# KiCad board Panel3-copy.kicad_pcb (continued)
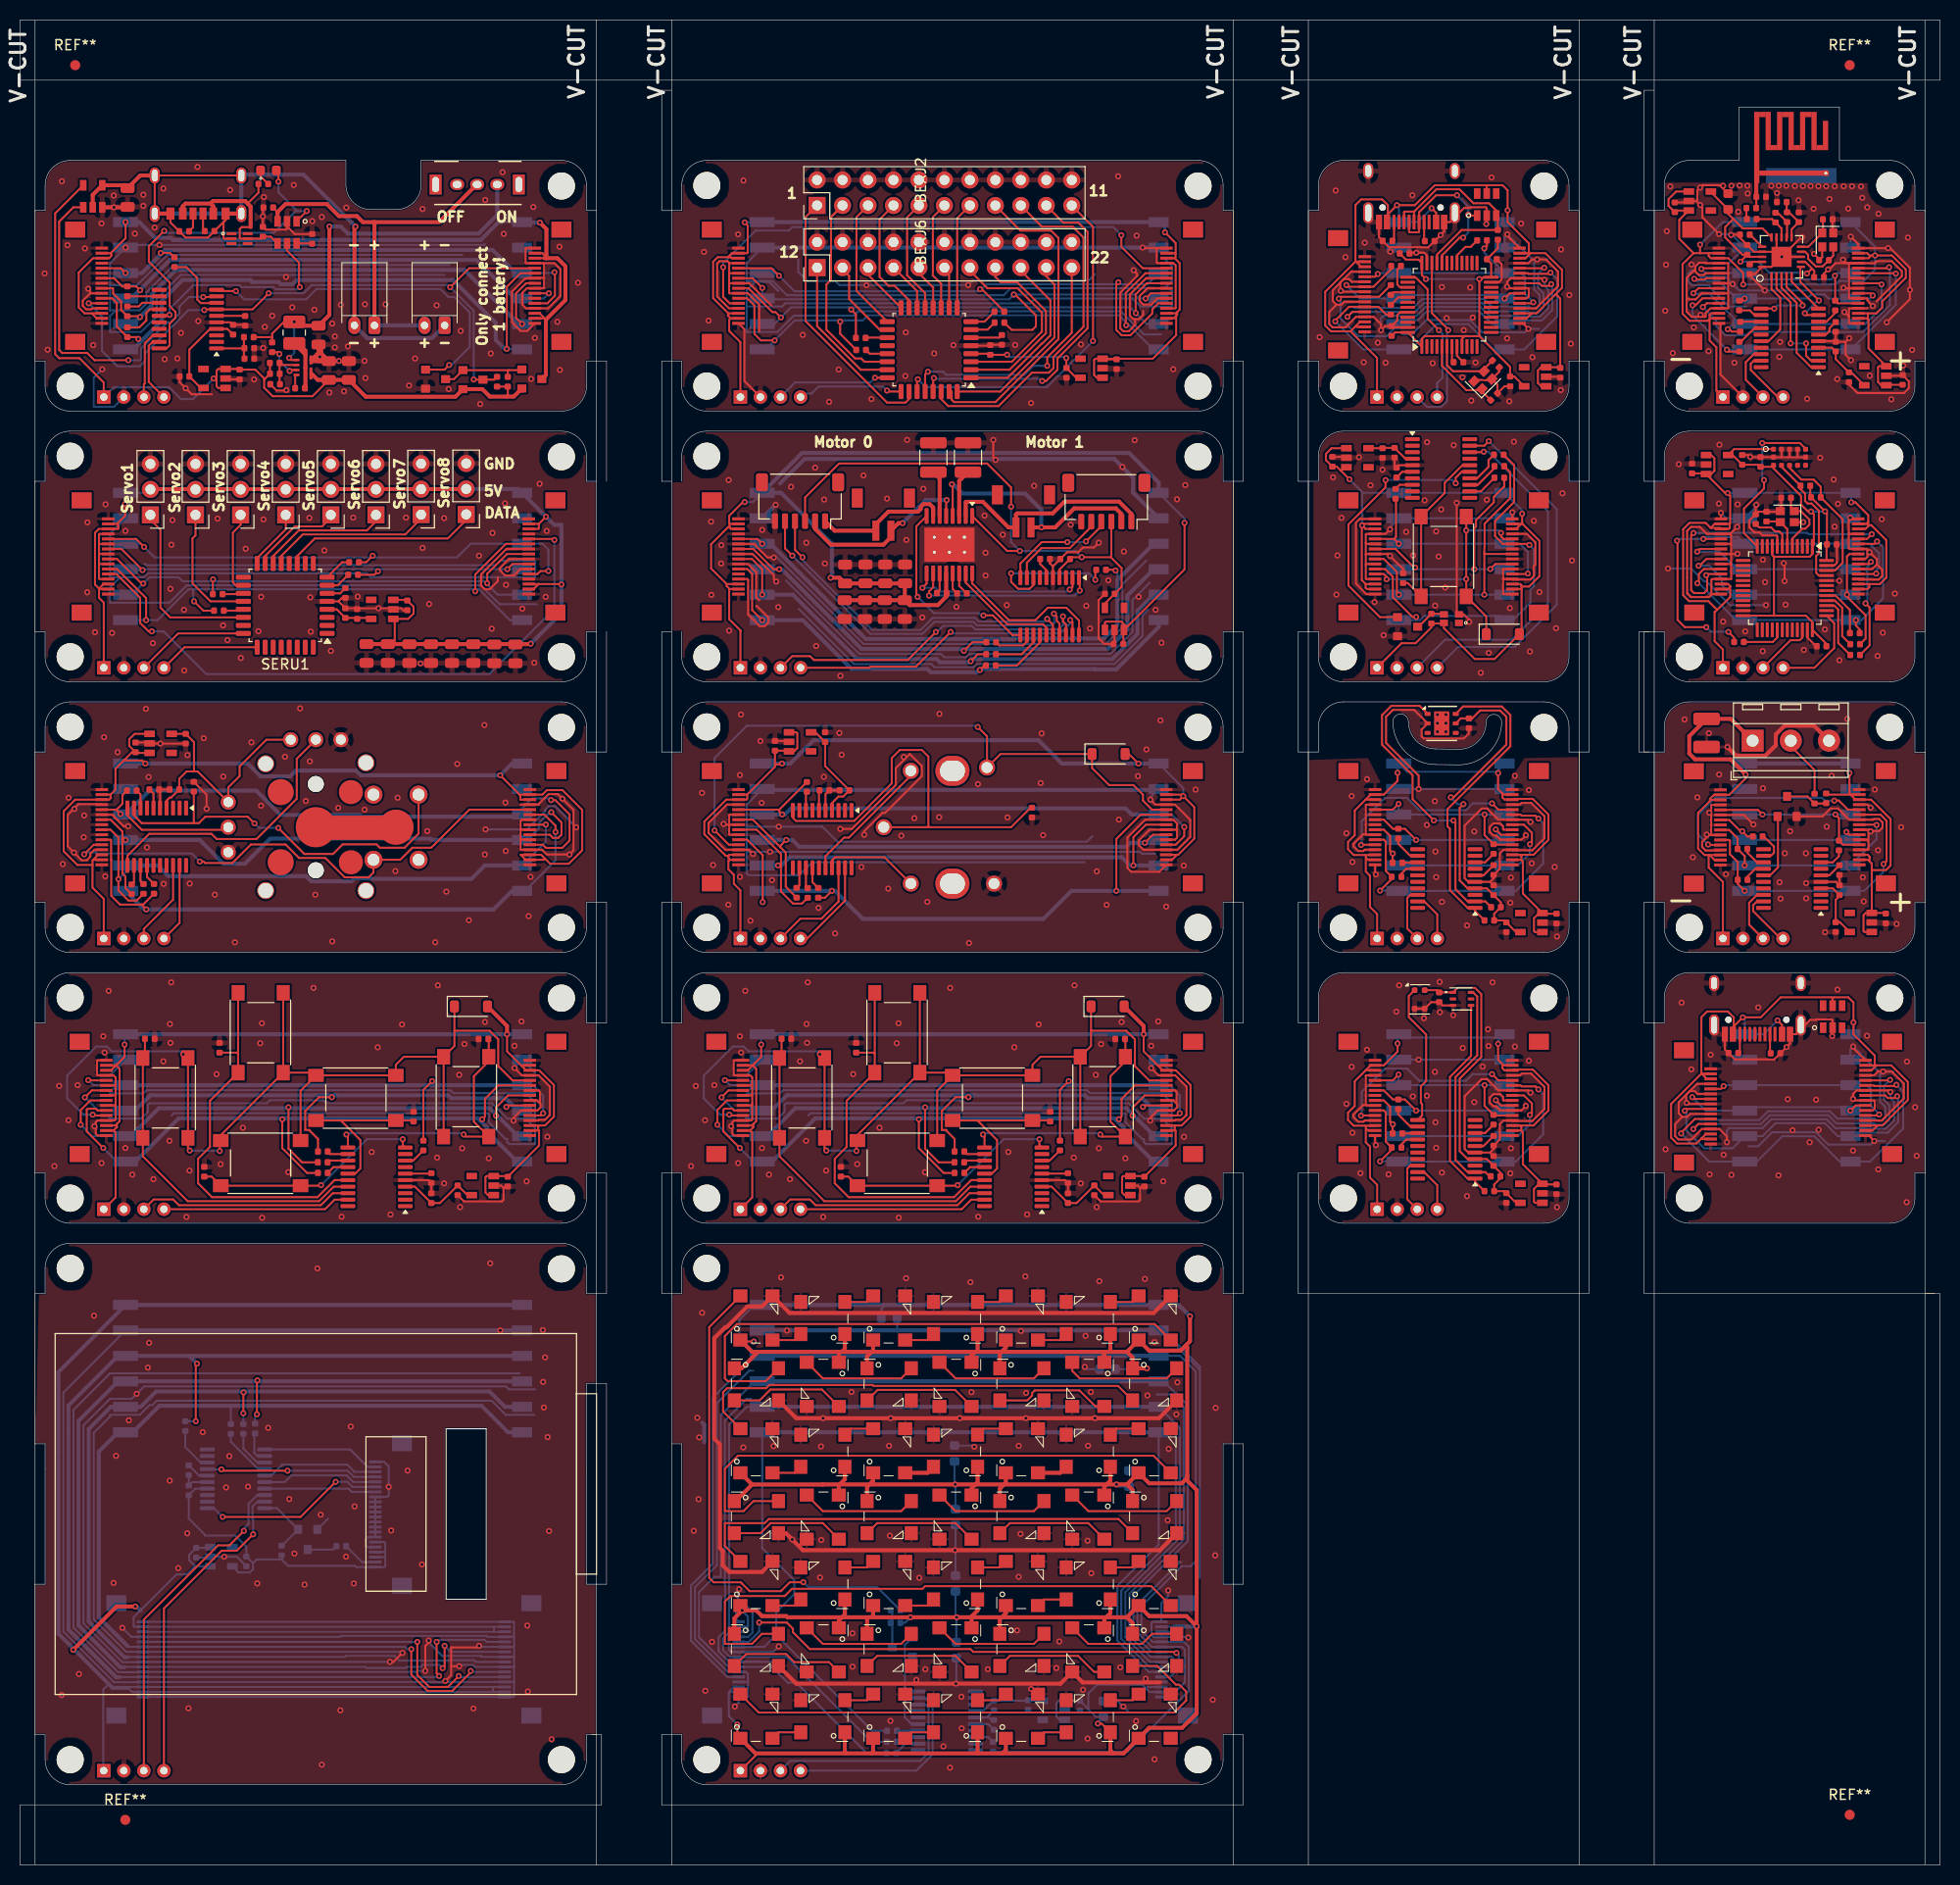
[diagram p0: board, top side]
## Routing (per net, layer and track width the routed paths; a pad name or vN(x,y) marks a point on that pad's centre or on a via; arc(x,y) is an arc through that point) (continued)
POW_GND: length 130.2
  Top w0.2: v1(180.75,82.66) 180.79,82.7 POWIC1.2 180.79,84.23 180.69,84.33 179.18,84.33 179.12,84.28 178.55,84.28 177.13,82.86 176.54,82.86 176.54,81.91 v1(176.19,81.56) POWR1.2 174.97,80.33 174.28,80.33 174.26,80.34 171.04,80.34 POWR2.1 170.04,81.34 170.04,82.86 ; v1(184.95,72.2) 184.4,72.75 POWJ6.1 ; 165.8,74.61 165.08,73.89 165.08,72.69 165.42,72.35 166.7,72.35 167.75,73.4 POWJ5.13 169.5,73.4 170.25,72.65 v1(170.25,72.08) ; 165.8,74.61 166.28,74.61 166.58,74.9 POWJ5.10 ; 165.8,74.61 165.44,74.97 165.44,76.07 167.27,77.9 POWJ5.4 ; v1(182.85,81.62) 182.85,81.47 POWJ6.16 ; POWJ6.4 185.7,74.25 187.9,76.45 187.9,77.92 186.7,79.12 v1(185.82,79.12) 185.32,79.12 184.94,78.75 POWJ6.13 ; v1(186.55,77.09) 186.39,77.25 POWJ6.10 183.19,77.25 182.82,76.88 v1(182.82,76.4) 182.97,76.25 POWJ6.8 184.94,76.25 185,76.2 185,75.44 184.8,75.25 POWJ6.6 ; POWJ5.8 166.34,75.9 v1(166.24,76) 166.19,76.04 166.19,76.84 166.53,77.17 167.04,77.17 167.32,76.9 POWJ5.6
  Bottom w0.2: 176.88,73.08 176.88,73.2 v1(176.8,73.28) ; 176.88,73.08 174.76,73.08 173.36,71.67 172.4,71.67 ; 176.88,73.08 179.14,73.08 ; 179.14,73.08 179.39,73.33 v1(179.4,73.33) ; 179.14,73.08 180.37,71.85 184.6,71.85 v1(184.95,72.2) 186.01,72.2 ; v1(170.25,72.08) 170.25,73.27 170.47,73.49 173.8,73.49 174.68,74.38 180.19,74.38 181.08,73.49 183.88,73.49 183.93,73.44 186.12,73.44 186.92,74.24 186.92,76.12 186.55,76.49 v1(186.55,77.09) ; v1(185.82,79.12) 185.35,79.12 v1(182.85,81.62) 182.57,81.35 POWJ3.5 ; v1(185.82,79.12) 185.53,78.83 185.53,76.12 186.05,75.6 186.05,74.5 185.79,74.24 185.2,74.24 185.01,74.43 181.27,74.43 180.52,75.17 174.35,75.17 173.47,74.29 167.59,74.29 ; v1(185.82,79.12) 186.85,79.12
  vias: v1(164.12,71.38) v1(165.72,86) v1(166.7,79.35) v1(168.53,68.88) v1(168.62,80.8) v1(169.93,70.83) v1(170.7,68.83) v1(173.38,85.53) v1(175.4,68.78) v1(176.32,76.38) v1(178.5,72.08) v1(179.15,76.33) v1(181.28,87.3) v1(182.82,71.25) v1(184.22,82.7) v1(185.35,69.38) v1(188.2,80.12) v1(188.18,66.1) v1(189.03,75.58) v1(189.18,70.72)
POW_Interrupt5V: length 29.6
  Top w0.2: POWJ6.12 186.47,78.25 v1(186.53,78.3) ; POWJ5.12 167.4,73.9 v1(166.9,73.4)
  Bottom w0.2: v1(166.9,73.4) 167.39,73.89 173.63,73.89 174.52,74.78 180.36,74.78 181.18,73.95 184.92,73.95 185.04,73.84 185.95,73.84 186.45,74.33 186.45,75.77 185.93,76.29 185.93,77.7 v1(186.53,78.3)
POW_MISO: length 34.7
  Top w0.2: POWJ6.9 186.04,76.75 186.3,76.49 187.05,76.49 v1(187.23,76.66) ; v1(166.04,75.22) 166.23,75.4 POWJ5.9
  Bottom w0.2: v1(166.04,75.22) 166.21,75.05 166.21,73.24 167.97,71.47 170.81,71.47 POWJ1.5 173.81,72.69 175.09,73.97 180.03,73.97 181.31,72.69 POWJ3.2 182.92,73.04 186.28,73.04 187.32,74.07 187.32,76.57 v1(187.23,76.66)
POW_MOSI: length 37.1
  Top w0.2: v1(165.68,72.95) 165.68,73.03 167.05,74.4 168.62,74.4 POWJ5.11 ; POWJ6.11 184.9,77.75 184.96,77.69 187.04,77.69 v1(187.16,77.81)
  Bottom w0.2: v1(187.16,77.81) 187.83,77.13 187.83,73.45 184.53,70.15 POWJ3.1 ; v1(165.68,72.95) 168.49,70.15 POWJ1.6 173.25,70.15 175.78,72.67 178.97,72.67 181.5,70.15
POW_Net-(J2-CC1): length 1.9
  Top w0.2: 174.54,82.86 174.54,81.02 174.62,80.95
POW_Net-(J2-CC2): length 1.9
  Top w0.2: 171.38,80.97 171.54,81.14 171.54,82.86
POW_PS: length 20.8
  Top w0.2: v1(169.93,77.67) 169.65,77.4 POWJ5.5 ; 185.35,74.75 POWJ6.5
  Bottom w0.2: POWJ3.4 POWJ1.3 170.02,77.77 v1(169.93,77.67) ; POWJ3.4 184.21,77.77 184.62,77.35 184.62,75.7 185.44,74.89 v1(185.44,74.85) ; POWJ3.4 182.98,77.77
POW_SCLK: length 20.2
  Top w0.2: v1(166.79,76.57) 166.97,76.4 POWJ5.7 ; v1(182.57,75.23) 183.09,75.75 POWJ6.7
  Bottom w0.2: v1(166.79,76.57) 168.14,75.23 POWJ1.4 172.37,75.58 182.23,75.58 v1(182.57,75.23)
SCR_5V: length 265.9
  Top w0.4: v1(5.3,21.45) 9.62,25.78 v1(11.5,25.78)
  Bottom w0.2: 47.17,17.75 47.17,17.28 47.2,17.25 ; 47.17,17.75 10.82,17.75 10.75,17.68 11.18,17.25 47.2,17.25 ; 47.17,17.75 SCRJ5.14 ; SCRJ4.1 8.3,9.45 8.3,17.5 8.84,18.04 ; SCRU2.3 18.91,31.62 SCRC8.1 16.86,30.91 16.86,30.41 17.48,29.79 ; 47.2,17.25 SCRJ5.15 ; 17.48,29.79 16.66,28.97 15.61,28.97 11.33,24.7 11.33,23.8 11.38,23.75 47.27,23.75 ; 17.48,29.79 SCRU2.1 ; SCRJ5.3 47.25,23.25 ; 47.25,23.25 47.27,23.28 47.27,23.75 ; 47.25,23.25 12.26,23.25 ; 47.27,23.75 SCRJ5.2 ; 5.37,21.52 v1(5.3,21.45)
  Bottom w0.4: 10.75,17.68 9.21,17.68 3.83,23.06 3.83,49.15 SCRJ1.1 50.08,55.85 ; v1(11.5,25.78) 11.62,25.78 12.02,25.38
SCR_BACKLIGHT: length 6.5
  Bottom w0.2: 26.09,31.84 26.12,31.84 SCRQ2.1 25.61,35.59 SCRU3.20
SCR_CHIP_SELECT: length 11.6
  Bottom w0.2: SCRU3.16 26.39,38.19 27.06,38.85 32.58,38.85 33.23,38.21 35.44,38.21
SCR_DC: length 11.2
  Bottom w0.2: SCRU3.17 32.77,37.53 32.77,37.53 33.09,37.21 35.44,37.21
SCR_GND: length 593.4
  Top w0.2: v1(40.76,22.39) 40.76,22.16 40.42,21.82 v1(40.42,19.35) ; v1(36.89,20.25) 37.24,20.25 v1(38.14,21.15) ; 43,19.82 43,18.93 v1(42.42,18.35) ; 43,19.82 43,21.7 45.63,21.7 v1(45.78,21.85) ; 43,19.82 v1(43.8,19.82)
  Bottom w0.2: v1(38.14,21.15) 38.04,21.25 10.59,21.25 7.35,24.49 7.35,43.1 8.97,44.72 8.97,44.89 11.95,44.89 12.93,45.87 13.2,45.87 13.62,46.3 47.04,46.3 48.45,44.89 51.29,44.89 ; 30.73,34.55 SCRQ2.2 ; 49.27,22.75 SCRJ5.4 46.62,22.75 46.52,22.85 32.02,22.85 31.93,22.75 11.1,22.75 v1(10.2,23.65) ; 49.27,22.75 49.27,24.2 49.22,24.25 SCRJ5.1 12.26,24.25 ; 49.27,22.75 49.27,21.78 ; 35.44,31.71 34.56,31.71 34.51,31.75 34.51,32.51 34.7,32.71 35.44,32.71 35.44,36.71 36.6,36.71 36.77,36.88 v1(36.77,37.72) 36.77,39.75 36.31,40.21 35.44,40.21 ; 12.26,16.75 SCRJ5.16 49.17,16.75 49.27,16.84 49.27,18.22 ; v1(40.42,19.35) 39.65,19.35 39.55,19.25 12.26,19.25 12.23,19.22 9.79,19.22 5.33,23.69 5.33,45.38 8.97,49.03 49.85,49.03 ; 49.27,21.78 49.24,21.75 SCRJ5.6 45.88,21.75 v1(45.78,21.85) ; 49.27,21.78 49.27,20.78 ; SCRC9.2 22.57,29.8 21.63,30.74 v1(20.36,30.74) SCRU2.2 18.89,30.66 17.57,30.66 ; SCRJ1.2 4.33,47.11 4.33,23.27 9.37,18.22 12.23,18.22 12.26,18.25 SCRJ5.13 49.24,18.25 49.27,18.22 ; 49.27,19.8 49.22,19.75 SCRJ5.10 45.4,19.75 45.2,19.95 43.92,19.95 v1(43.8,19.82) ; 49.27,19.8 49.27,20.78 ; 49.27,19.8 49.27,18.22 ; SCRU3.5 17.18,38.19 SCRC2.2 SCRC1.2 ; 49.27,20.78 49.24,20.75 SCRJ5.8 46.08,20.75 45.98,20.85 42.1,20.85 40.76,22.19 v1(40.76,22.39) ; 51.38,47.43 48.77,47.43 48.48,47.73 12.38,47.73 v1(11.63,46.99) 11.13,46.49 8.97,46.49 6.33,43.84 6.33,24.1 10.2,20.22 12.23,20.22 12.26,20.25 v1(36.89,20.25)
  Bottom w0.4: 50.08,53.31 v1(47.9,53.31) SCRJ1.2
  vias: v1(4.15,16.94) v1(5.88,19.05) v1(7.38,54.78) v1(9.32,28.12) v1(9.57,40.8) v1(10.85,44.35) v1(12.75,49.6) v1(12.88,52.08) v1(14.93,38.33) v1(15.78,29.61) v1(16.68,33.07) v1(16.8,15.62) v1(18.23,43.17) v1(20.55,37.65) v1(20.87,40.77) v1(22.74,37.73) v1(23.66,28.08) v1(24.75,43.6) v1(26.85,36.49) v1(27.37,31.06) v1(28.38,27.96) v1(29.65,59.5) v1(29.99,34.93) v1(30.1,10) v1(31.95,15.43) v1(32.51,30.75) v1(32.98,43.72) v1(33.29,28.07) v1(33.37,35.76) v1(37.02,33.35) v1(38.65,39.32) v1(40.09,29.97) v1(45.23,15.6) v1(46.9,60.01) v1(50.6,23.88) v1(50.65,17.3) v1(52.15,53.35) v1(52.17,48.17) v1(52.25,45.62) v1(52.38,50.62) v1(52.62,42.67) v1(52.77,33.3) v1(53.02,12.53)
SCR_Interrupt5V: length 40.4
  Top w0.2: v1(43.75,18.85) 43.75,18.83 42.67,17.75 40.83,17.75 39.62,18.95 v1(39.62,22.25)
  Bottom w0.2: v1(43.75,18.85) 43.85,18.75 SCRJ5.12 ; v1(39.62,22.25) 12.26,22.25
SCR_LEDK: length 3.6
  Bottom w0.2: SCRR5.2 34.11,30.21 35.44,30.21
SCR_MISO: length 111.1
  Top w0.2: v1(22.27,45.05) 22.27,47.11 v1(22.3,47.13)
  Bottom w0.2: SCRR4.2 v1(22.27,45.05) ; 10.7,20.72 10.72,20.75 32.4,20.75 32.5,20.85 37.35,20.85 37.83,20.38 42.77,20.38 42.83,20.43 45.29,20.43 45.46,20.25 SCRJ5.9
  Bottom w0.4: 10.7,20.72 10.41,20.72 6.85,24.29 6.85,43.47 9.07,45.69 SCRJ1.5 12.04,45.69 13.57,47.22 46.83,47.22 48.36,45.69 50.08,45.69
SCR_MOSI: length 109.6
  Top w0.2: v1(44.95,19.35) 44.95,19.2 43.1,17.35 40.66,17.35 39.02,18.98 v1(39.02,21.52)
  Bottom w0.2: SCRR2.2 21.02,45.72 21.1,45.8 ; 10.72,21.82 10.8,21.75 38.4,21.75 38.63,21.52 v1(39.02,21.52) ; v1(44.95,19.35) 45.05,19.25 SCRJ5.11
  Bottom w0.4: 10.72,21.82 7.85,24.7 7.85,41.22 9.78,43.15 SCRJ1.6 11.25,43.15 13.9,45.8 46.02,45.8 48.67,43.15 50.08,43.15
SCR_Net-(Q2-D): length 3
  Bottom w0.2: SCRQ2.3 31.23,31.46 SCRR5.1
SCR_Net-(U3-NRST): length 2.3
  Bottom w0.2: SCRC1.1 17.84,38.84 18.68,38.84
SCR_Net-(U3-PA1): length 4.4
  Bottom w0.2: SCRR1.1 16.48,41.68 18.02,40.13 SCRU3.8
SCR_Net-(U3-PA5): length 3.1
  Bottom w0.2: SCRU3.12 23.67,40.78 23.36,41.09 23.36,42.96 SCRR3.1
SCR_Net-(U3-PA6): length 4.2
  Bottom w0.2: SCRR4.1 22.27,41.53 23.67,40.13 SCRU3.13
SCR_Net-(U3-PA7): length 5.3
  Bottom w0.2: 24.4,39.49 23.75,39.49 21.02,42.21 SCRR2.1
SCR_PS: length 127
  Top w0.2: v1(17.65,50) 17.52,49.88 v1(17.52,44.25) ; v1(41.55,22.25) 41.55,19.1 v1(41.8,18.85)
  Bottom w0.2: v1(17.52,44.25) 17.52,44.26 SCRR1.2 ; v1(41.8,18.85) 41.7,18.75 9.97,18.75 9.95,18.72 ; SCRJ5.5 46.56,22.25 46.36,22.45 41.75,22.45 v1(41.55,22.25)
  Bottom w0.4: 16.88,50.77 SCRJ1.3 9.78,50.77 4.83,45.82 4.83,23.48 9.58,18.72 9.95,18.72 ; 16.88,50.77 v1(17.65,50) ; 16.88,50.77 50.08,50.77
SCR_RESET: length 11.8
  Bottom w0.2: 35.44,39.21 33.36,39.21 32.64,39.92 26.15,39.92 26.15,39.92 25.06,38.84 24.4,38.84
SCR_S_MOSI: length 11.9
  Bottom w0.2: 35.44,39.71 34.66,39.71 32.94,41.44 SCRU3.11 24.52,41.55
SCR_S_SCK: length 18.8
  Top w0.2: v1(20.21,34.71) 27.98,34.71 v1(31.48,38.21)
  Bottom w0.2: SCRU3.1 19.34,35.59 v1(20.21,34.71) ; 35.38,37.75 35.44,37.71 33.16,37.71 32.66,38.21 v1(31.48,38.21)
SCR_SCLK: length 117.6
  Top w0.2: v1(42.15,19.63) 42.35,19.83 v1(42.35,21.85) ; v1(23.62,44.95) 23.62,48.28 v1(23.68,48.33)
  Bottom w0.2: 10.41,19.72 10.43,19.75 34.45,19.75 34.55,19.65 38.48,19.65 38.58,19.75 39.98,19.75 40.18,19.95 41.83,19.95 v1(42.15,19.63) ; SCRJ5.7 42.95,21.25 v1(42.35,21.85) ; SCRR3.2 23.45,44.77 v1(23.62,44.95)
  Bottom w0.4: 10.41,19.72 9.99,19.72 5.83,23.89 5.83,44.28 9.78,48.23 SCRJ1.4 50.08,48.23
SCR_SWDCLK: length 32.4
  Top w0.2: SCRJ4.4 14.35,25.58 20.11,31.34 21.61,31.34 v1(23.25,32.97)
  Bottom w0.2: v1(23.25,32.97) 23.25,34.48 23.19,34.54 23.19,35.76 23.67,36.24 24.4,36.24
SCR_SWDIO: length 33.6
  Top w0.2: v1(22.32,33.32) 20.88,31.88 19.75,31.88 12.35,24.47 SCRJ4.3
  Bottom w0.2: SCRU3.18 23.67,36.88 22.79,36.01 22.79,34.02 22.32,33.56 v1(22.32,33.32)
SCR_TE: length 17.1
  Top w0.2: v1(26.68,39.32) 20.21,39.32 v1(20.08,39.45)
  Bottom w0.2: 35.44,38.71 33.29,38.71 32.68,39.32 v1(26.68,39.32) ; v1(20.08,39.45) 18.71,39.45 18.68,39.49
SCR_VDD: length 36.1
  Bottom w0.2: 35.44,30.71 36.33,30.71 36.42,30.8 ; 36.42,30.8 36.42,29.78 36.35,29.71 33.56,29.71 33.44,29.83 26.73,29.83 26.09,30.47 ; 36.42,30.8 36.42,31.32 ; SCRU2.5 21.8,29.16 22.9,29.16 23.24,29.5 23.24,30.09 23.23,30.1 ; 26.09,30.47 SCRR7.2 25.98,30.76 ; 26.09,30.47 23.59,30.47 23.23,30.1 ; 36.42,31.32 36.3,31.21 35.44,31.21 ; 36.42,31.32 36.42,32.09 36.31,32.21 35.44,32.21 ; 23.23,30.1 SCRC9.1 22.57,31.75 21.46,32.85 18.44,32.85 18.44,32.93 16.83,34.54 SCRC2.1 17.49,37.53 SCRU3.4
SER_5V: length 128.6
  Top w0.2: 7.88,127.3 7.47,127.7 7.47,132.87 7.86,133.25 SERJ12.3 9.78,133.25 9.82,133.3 9.82,133.45 9.78,133.5 9.78,133.85 ; 7.88,127.3 8.32,127.75 SERJ12.14 ; 7.88,127.3 7.88,127.15 ; 9.78,133.85 9.68,133.75 SERJ12.2 ; 9.78,133.85 10.47,134.55 v1(10.47,135.75) ; 51.75,133.75 v1(52.46,134.46) ; 51.75,133.75 51.75,133.3 51.7,133.25 SERJ13.14 ; 51.75,133.75 SERJ13.15 ; SERJ13.2 51.23,127.25 51.73,127.75 ; 51.73,127.75 53.95,127.75 v1(54,127.7) ; 51.73,127.75 SERJ13.3 ; SERU2.3 38.56,126.17 39.24,125.49 39.24,124.8 38.72,124.28 SERU2.1 37.38,124.12 37.38,121.69 ; SERJ12.15 7.97,127.25 7.88,127.15 ; SERC14.1 49.37,121.76 SERC5.1 ; 7.88,127.15 7.88,126.38 8.35,125.9 SERJ4.1
  Top w0.4: v1(50.94,121.8) 50.9,121.76 SERC5.1 ; 13.04,137.22 44.5,137.22
  Bottom w0.2: SERJ2.2 12.66,136.85 SERJ1.1 10.47,136.8 v1(10.47,135.75)
  Bottom w0.4: SERJ11.2 49.69,137.24 v1(52.46,134.46) 53.27,133.65 54,133.65 v1(54,127.7) 54,124.87 v1(50.94,121.8)
SER_GND: length 171.8
  Top w0.2: SERJ12.4 7.92,132.75 7.88,132.7 7.88,131.72 ; 7.88,131.72 7.88,130.85 ; 7.88,131.72 7.9,131.75 SERJ12.6 ; SERJ12.8 7.97,130.75 7.88,130.85 ; SERJ13.10 48.51,131.25 45.99,128.73 45.99,127.58 46.34,127.23 46.84,127.23 47.65,128.04 47.65,128.43 ; 31.76,126.03 32.11,126.38 SERC4.2 ; 31.76,126.03 SERC3.2 v1(35.75,125.34) 38.02,125.34 38.25,125.1 38.29,125.14 SERC8.2 ; 31.76,126.03 SERU1.5 ; 7.88,130.85 7.88,129.8 ; 7.88,129.8 7.92,129.75 SERJ12.10 ; 7.88,129.8 7.88,128.3 7.92,128.25 SERJ12.13 ; SERJ13.6 49.92,129.25 49.27,128.6 48.38,128.6 47.85,129.13 47.85,129.33 48.77,130.25 SERJ13.8
  Bottom w0.2: 10,128.43 8.98,128.43 8.97,128.43 8.97,132.76 SERJ1.2 ; 10,128.43 8.97,127.4 8.97,125.89 14.89,125.89 16.62,127.62 45.95,127.62 47.83,125.75 51.55,125.75 ; 10,128.43 12.35,128.43 12.76,128.83 34.58,128.83 34.98,128.43 51.38,128.43 51.38,130 51.3,130.07 47.88,130.07 47.43,129.63 12.57,129.63 12.4,129.8
  vias: v1(6.72,133.9) v1(6.7,126.92) v1(7.47,122.95) v1(8.53,135.7) v1(9.18,122.88) v1(10.5,133.05) v1(13.25,121.85) v1(15,127.28) v1(15.1,131.68) v1(15.2,134.12) v1(16.35,125.17) v1(16.38,119.12) v1(19.7,134.28) v1(20.25,123.62) v1(20.7,122.15) v1(22.02,120.38) v1(22.5,131.28) v1(23.77,123.05) v1(24.05,126.47) v1(24.27,134.2) v1(28.85,134.35) v1(28.95,126.42) v1(29,123) v1(30.35,131.1) v1(31,121.08) v1(33.23,134.38) v1(33.67,126.5) v1(38.5,134.38) v1(39.95,119.83) v1(40.15,131.35) v1(40.8,125.75) v1(42.3,134.32) v1(45.77,130.57) v1(47.05,123.3) v1(47.12,132.85) v1(48.38,135.8) v1(48.48,127.67) v1(50.1,125.3) v1(51.28,119.9) v1(51.83,137.75) v1(52.42,126.47) v1(52.52,133.05)
SER_Interrupt5V: length 62.3
  Top w0.2: v1(53.3,132.15) 53.2,132.25 SERJ13.12 ; v1(13.15,123.03) 12.82,123.03 11.97,123.88 11.97,126.38 9.61,128.75 SERJ12.12
  Bottom w0.2: v1(53.3,132.15) 53.3,125.28 46.8,118.78 18.57,118.78 14.32,123.03 v1(13.15,123.03)
SER_MISO: length 53.2
  Top w0.2: SERR7.2 19.23,128.2 v1(19.25,128.22) ; SERJ12.9 9.68,130.25 12.12,127.8 v1(12.3,127.8) ; SERJ13.9 48.58,130.75 46.59,128.77 v1(46.59,127.83)
  Bottom w0.2: 19.45,128.03 46.3,128.03 47.63,126.69 50.08,126.69 ; 19.45,128.03 16.2,128.03 15.8,128.43 12.92,128.43 v1(12.3,127.8) 11.18,126.69 SERJ1.5 ; 19.45,128.03 19.45,128.05 19.27,128.22 v1(19.25,128.22)
SER_MOSI: length 61.6
  Top w0.2: SERR8.2 18.27,125.1 v1(17.35,126.03) ; SERJ12.11 9.68,129.25 12.57,126.35 v1(12.57,124.15) ; SERJ13.11 48.44,131.75 45.4,128.71 v1(45.4,127.03)
  Bottom w0.2: SERJ1.6 v1(12.57,124.15) 13.72,124.15 16.79,127.22 17.27,127.22 ; v1(17.35,126.03) 17.27,126.1 17.27,127.22 ; 17.27,127.22 45.78,127.22 ; 45.78,127.22 48.86,124.15 50.08,124.15 ; 45.78,127.22 45.58,127.03 v1(45.4,127.03)
SER_Net-(U1-NRST): length 2
  Top w0.2: SERU1.6 31.93,126.83 SERC4.1
SER_Net-(U1-PA0): length 2.5
  Top w0.2: SERU1.7 31.68,127.62 SERR5.1
SER_Net-(U1-PA1): length 2.8
  Top w0.2: SERR6.1 32.12,129.93 SERU1.8
SER_Net-(U1-PA9/NC): length 2.1
  Top w0.2: SERR7.1 22.2,126.75 SERU1.19
SER_Net-(U1-PA10/NC): length 2
  Top w0.2: SERR8.1 22.15,125.1 SERU1.21
SER_PS: length 53.3
  Top w0.2: v1(52.7,129.05) 51.92,129.05 51.62,128.75 SERJ13.5 ; SERR6.2 34.52,129.93 v1(35.17,130.57) ; v1(12.38,131.45) 11.57,132.25 SERJ12.5
  Bottom w0.2: SERJ1.3 12.05,131.77 v1(12.38,131.45) 13.43,130.4 43.58,130.4 44.95,131.77 52.1,131.77 52.7,131.18 v1(52.7,129.05)
SER_PWM1: length 18.3
  Top w0.2: SERU1.22 14.97,124.42 14,125.4 14,133.18 13,134.18 SERJ2.1
SER_PWM2: length 12.8
  Top w0.2: SERU1.20 19,126.03 17.2,127.82 17.2,132.3 17.5,132.6 SERJ5.1
SER_PWM3: length 8.2
  Top w0.2: SERU1.18 21.53,127.62 21.23,127.93 21.23,132.88 22,133.65 SERJ6.1
SER_PWM4: length 6
  Top w0.2: SERU1.16 23.65,130.35 26.5,133.2 SERJ7.1
SER_PWM5: length 9.2
  Top w0.2: SERJ8.1 31,134.38 30.12,133.5 27.4,133.5 24.45,130.55 SERU1.15
SER_PWM6: length 13.1
  Top w0.2: SERU1.14 25.25,130.55 27.8,133.1 34.6,133.1 35.5,134 SERJ9.1
SER_PWM7: length 16.6
  Top w0.2: SERU1.13 26.05,130.55 28.2,132.7 38.42,132.7 40,134.28 SERJ10.1
SER_PWM8: length 19.7
  Top w0.2: SERJ11.1 44.55,134.65 44.55,134.17 42.67,132.3 29.4,132.3 27.65,130.55 SERU1.11
SER_SCLK: length 50.1
  Top w0.2: v1(35.7,129.03) 35.34,128.68 SERR5.2 ; v1(48.6,129.23) 49.12,129.75 SERJ13.7 ; v1(12.22,129.14) 10.11,131.25 SERJ12.7
  Bottom w0.2: v1(12.22,129.14) 10.61,129.14 SERJ1.4 v1(48.6,129.23) 50.08,129.23
SER_SWDCLK: length 10.1
  Top w0.2: SERJ4.4 16.4,121.45 SERU1.25
SER_SWDIO: length 11.3
  Top w0.2: SERU1.24 15.78,122.83 SERJ4.3
SER_VDD: length 4.8
  Top w0.2: SERU1.4 31.59,125.22 SERC3.1 34.94,124.37 SERU2.5
TMP_5V: length 65.6
  Top w0.2: TMPJ4.1 135.36,94.84 134.65,95.55 134.65,98.65 134.23,99.07 134.23,100.43 ; 134.21,106.25 133.12,105.16 133.12,102.7 132.45,102.03 132.45,101.3 133.03,100.72 134.18,100.72 ; 134.21,106.25 134.71,106.75 TMPJ5.2 136.03,106.75 137.4,108.12 v1(137.4,108.92) ; 134.21,106.25 TMPJ5.3 ; TMPJ5.15 134.45,100.25 134.25,100.45 134.25,100.65 134.18,100.72 ; 147.85,106.87 147.97,106.75 TMPJ3.15 ; 147.85,106.87 147.43,107.3 v1(147.43,108.9) ; 147.85,106.87 147.85,106.48 148.07,106.25 TMPJ3.14 148.92,106.33 150.89,106.33 152.45,104.76 152.45,102.24 150.96,100.75 149.57,100.75 ; 149.57,100.75 149.75,100.58 149.75,100.28 149.72,100.25 ; 149.57,100.75 TMPJ3.3 ; 134.18,100.72 135.13,100.72 TMPJ5.14 ; 149.72,100.25 149.9,100.07 149.9,96.89 TMPU2.3 ; 149.72,100.25 TMPJ3.2 ; TMPU2.3 151.91,94.87 TMPC8.1 ; TMPU2.3 151.51,94.94 151,94.42 151,93.16 151.12,93.03 TMPU2.1
  Bottom w0.2: v1(137.4,108.92) 137.4,109.72 TMPJ1.1 138.34,109.03 147.25,109.03 TMPJ2.6 147.43,109.2 v1(147.43,108.9)
TMP_/DAP: length 0.4
  Top w0.2: 141.38,113.85 TMPU1.7
  vias: v1(141.38,114.72) v1(141.38,113.88) v1(141.38,113.03) v1(142.22,114.72) v1(142.22,113.88) v1(142.22,113.03)
TMP_GND: length 80.6
  Top w0.2: TMPJ5.4 134.28,105.75 134.23,105.7 134.23,102.8 ; 147.6,99.67 147.67,99.75 TMPJ3.1 ; 147.6,99.67 147.6,100.88 147.97,101.25 TMPJ3.4 148.9,101.2 150.85,101.2 152.05,102.4 152.05,104.6 150.72,105.92 149.78,105.92 149.6,105.75 TMPJ3.13 ; 147.6,99.67 147.6,99.36 TMPC1.2 146.98,98.4 146.63,98.05 ; TMPJ5.10 134.28,102.75 134.23,102.8 ; 146.63,98.05 TMPC2.2 ; 146.63,98.05 TMPU3.5 144.45,98.05 144.09,98.41 144.09,103.67 145.79,105.37 146.32,105.37 147.44,104.25 TMPJ3.10 150.43,104.25 v1(150.65,104.03) ; 134.23,102.8 133.97,102.8 133,101.83 133,101.6 133.47,101.12 134,101.12 134.12,101.25 TMPJ5.13 ; TMPC3.2 144.53,112.87 144.01,112.35 140,112.35 139.8,112.55 139.8,113.25 TMPU1.2 139.05,115.2 136.94,115.2 136.25,114.51 136.25,111.9 139.5,108.65 v1(139.5,107.31) ; TMPJ3.8 147.97,103.25 147.92,103.3 147.92,103.6 147.65,103.88 146.95,103.88 146.6,103.52 146.6,103.03 146.95,102.67 147.23,102.67 147.66,102.25 TMPJ3.6 149.75,102.25 v1(150.2,102.7) ; v1(135.23,98.79) 135.16,98.87 TMPJ5.16
  Bottom w0.2: TMPJ2.5 v1(139.5,107.31) TMPJ1.2
  vias: v1(132.3,102.9) v1(132.82,106.6) v1(132.9,100.03) v1(134.35,108.3) v1(140.32,103.72) v1(141.12,106.1) v1(141.18,101.08) v1(141.25,98.53) v1(141.82,96.05) v1(144.32,93.7) v1(145.05,103.08) v1(148.7,98.47) v1(148.65,95.97) v1(149.1,108.62) v1(150.5,107.2) v1(150.78,99.9) v1(153.07,99.53) v1(153.3,92.6)
TMP_Interrupt5V: length 20.9
  Top w0.2: v1(133.75,101.72) 133.78,101.75 TMPJ5.12 ; v1(146.82,105.88) 147.45,105.25 TMPJ3.12
  Bottom w0.2: v1(133.75,101.72) 133.82,101.8 133.82,104.1 136.15,106.42 138.35,106.42 139.57,105.2 144.22,105.2 144.9,105.88 v1(146.82,105.88)
TMP_MISO: length 24
  Top w0.2: TMPJ3.9 150,103.75 150.8,102.95 150.8,102 v1(150.6,101.8) ; TMPR4.2 136.91,100.86 v1(136.93,100.88) 136.65,101.15 136.65,102.63 136.03,103.25 TMPJ5.9
  Bottom w0.2: v1(136.93,100.88) 136.93,100.29 TMPJ1.5 TMPJ2.2 149.41,99.69 150.6,100.88 v1(150.6,101.8)
TMP_MOSI: length 31.6
  Top w0.2: TMPJ3.11 149.67,104.75 149.77,104.65 151.15,104.65 v1(151.45,104.35) ; v1(135.65,97.17) 136.81,98.34 TMPR2.2 136.22,99.14 136.22,102.06 136.03,102.25 TMPJ5.11
  Bottom w0.2: v1(151.45,104.35) 151.93,103.88 151.93,99.88 149.2,97.15 TMPJ2.1 TMPJ1.6 137.5,97.17 v1(135.65,97.17)
TMP_Net-(U3-NRST): length 2.3
  Top w0.2: TMPU3.6 145.97,98.7 TMPC1.1
TMP_Net-(U3-PA1): length 2.2
  Top w0.2: TMPR1.1 146.13,100 TMPU3.8
TMP_Net-(U3-PA5): length 3
  Top w0.2: TMPU3.12 138.67,100.65 137.47,101.84 TMPR3.1
TMP_Net-(U3-PA6): length 1.5
  Top w0.2: TMPR4.1 139.35,99.95 TMPU3.13
TMP_Net-(U3-PA7): length 2.1
  Top w0.2: 137.78,98.55 137.78,98.87 138.27,99.35 TMPU3.14
TMP_PS: length 19.4
  Top w0.2: v1(137.5,105.83) 136.93,105.25 TMPJ5.5 ; TMPJ3.5 147.03,101.75 TMPR1.2 146.07,102.71 v1(146.07,104.77)
  Bottom w0.2: TMPJ2.4 v1(146.07,104.77) TMPJ1.3 137.5,104.8 v1(137.5,105.83)
TMP_SCL: length 31.2
  Top w0.2: TMPU1.6 143.94,115.54 147.79,115.54 148.65,114.68 148.65,111.57 142.38,105.3 142.38,103.59 142.62,103.34 142.62,97.22 144.39,95.45 TMPU3.1 145.13,95.14 TMPR6.2
TMP_SCLK: length 18.8
  Top w0.2: v1(139.25,102.23) 138.13,103.34 TMPR3.2 136.94,103.34 136.03,104.25 TMPJ5.7 ; v1(147.2,103.28) 147.72,102.75 TMPJ3.7
  Bottom w0.2: v1(147.2,103.28) 147.2,103.11 TMPJ2.3 v1(139.25,102.23) TMPJ1.4
TMP_SDA: length 31.1
  Top w0.2: TMPU1.1 139.6,115.6 136.77,115.6 135.85,114.68 135.85,111.73 138.9,108.68 138.9,106.3 v1(141.03,104.17) ; TMPR5.2 146.16,96.1 TMPU3.2 144.39,96.1 143.18,97.32 143.18,103.97 v1(142.97,104.17)
  Bottom w0.2: v1(142.97,104.17) v1(141.03,104.17)
TMP_SWDCLK: length 4.9
  Top w0.2: TMPJ4.4 141.36,94.8 140.06,96.1 TMPU3.19
TMP_SWDIO: length 5.6
  Top w0.2: TMPU3.18 138.67,96.75 138.37,96.45 138.37,93.39 TMPJ4.3
TMP_VDD: length 35.8
  Top w0.2: TMPU2.5 149.22,93.03 TMPC9.1 148.06,94.2 TMPR6.1 147.03,94.86 TMPR5.1 147.7,96.01 TMPC2.1 146.31,97.4 TMPU3.4 144.39,97.4 143.6,98.19 143.6,105.42 v1(143.97,105.8) ; v1(142.71,106.48) 142.99,106.48 148.25,111.74 148.25,114.51 147.62,115.14 145.63,115.14 144.84,114.35 TMPC3.1 143.7,114.35 TMPU1.5
  Bottom w0.2: v1(142.71,106.48) 143.39,105.8 v1(143.97,105.8)
USB_5V: length 91.5
  Top w0.2: 153.18,156.67 153.8,157.29 153.8,159.09 152.14,160.75 150.68,160.75 ; 153.18,156.67 151.26,154.75 150.78,154.75 ; 153.18,156.67 153.62,156.22 USBC8.1 153.56,149.38 USBU2.3 151.72,149.38 151.4,149.05 151.4,147.8 151.72,147.47 USBU2.1 ; 132.7,152.95 135.35,150.31 USBJ4.1 ; 132.7,152.95 130.76,152.95 130.18,153.53 130.18,156.9 133.18,159.9 133.35,159.9 ; 132.7,152.95 133.24,153.49 ; 146.29,167.43 146.19,167.53 141.11,167.53 139.12,165.54 v1(137.34,165.54) 136.34,164.54 USBJ2.A9 136.43,163.94 136.43,165.54 135.85,166.12 133.77,166.12 133.2,165.55 133.2,159.95 ; 146.29,167.43 146.39,167.53 147.87,167.53 148.38,167.02 v1(148.38,165.03) 148.38,163.85 150.5,161.73 150.5,160.8 150.44,160.75 ; 146.29,167.43 USBIC1.5 ; 150.68,160.75 150.44,160.75 ; 150.68,160.75 150.18,160.25 USBJ6.14 ; 150.44,160.75 USBJ6.15 ; v1(140.79,165.23) 141.25,164.78 USBJ2.A4 ; 133.24,153.49 133.32,153.4 USBJ5.15 ; 133.24,153.49 133.65,153.9 USBJ5.14 ; USBJ6.2 150.28,154.25 150.78,154.75 ; 150.78,154.75 USBJ6.3 ; 133.35,159.9 133.25,159.9 133.2,159.95 ; 133.35,159.9 USBJ5.2 ; 133.2,159.95 133.75,159.4 USBJ5.3
  Bottom w0.2: v1(137.34,165.54) 137.53,165.35 USBJ1.1 139.41,163.85 v1(140.79,165.23) ; v1(148.38,165.03) 148.38,164.15 USBJ3.6
USB_GND: length 152
  Top w0.2: 131.3,155.61 131.78,155.61 132.08,155.9 USBJ5.10 ; 131.3,155.61 130.94,155.97 130.94,157.07 132.77,158.9 USBJ5.4 ; 131.3,155.61 130.58,154.89 130.58,153.69 130.92,153.35 132.2,153.35 133.25,154.4 USBJ5.13 135,154.4 135.75,153.65 v1(135.75,153.07) 136.15,153.47 USBC1.2 ; USBJ5.8 131.84,156.9 v1(131.74,157) 131.69,157.04 131.69,157.84 132.03,158.18 132.54,158.18 132.82,157.9 USBJ5.6 ; 147.28,160.15 147.78,159.66 147.78,158.12 147.51,157.85 USBU1.23 ; 135.54,163.85 135.54,162.34 USBR2.1 136.54,161.34 139.76,161.34 139.78,161.33 140.47,161.33 USBR1.2 v1(141.69,162.56) 142.04,162.91 142.04,163.85 142.63,163.85 144.05,165.28 144.62,165.28 144.68,165.33 146.19,165.33 146.29,165.23 USBIC1.2 146.29,163.7 v1(146.25,163.66) ; USBC8.2 153.54,148.43 USBU2.2 ; USBJ6.4 151.2,155.25 153.4,157.45 153.4,158.93 152.2,160.12 v1(151.32,160.12) 150.82,160.12 150.44,159.75 USBJ6.13 ; USBY2.2 147.37,147.63 147.37,146.78 148.07,147.47 USBC9.2 ; USBY2.2 146.68,148.07 146.01,148.07 ; USBY2.2 147.54,148.94 USBC7.1 ; 140.06,160.8 140.32,160.53 USBU1.35 ; 140.06,160.8 v1(139.28,160.8) ; 140.06,160.8 138.66,160.8 USBC2.2 ; 145.83,148.11 145.16,148.11 USBY2.4 ; USBJ6.6 150.3,156.25 150.5,156.44 150.5,157.2 150.44,157.25 USBJ6.8 148.47,157.25 v1(148.32,157.4) 148.32,157.88 148.69,158.25 USBJ6.10 151.89,158.25 v1(152.05,158.09) ; USBU1.44 137.64,154.85 137.38,154.58 137.38,154.04 USBC1.2 ; USBC1.2 136.92,153.35 USBU1.47 ; USBJ6.1 149.9,153.75 v1(150.45,153.2) ; USBU1.8 143.32,150.51 USBC4.1 ; USBJ6.16 148.35,162.47 v1(148.35,162.62)
  Bottom w0.2: 144.64,154.07 145.87,152.85 150.1,152.85 v1(150.45,153.2) 151.51,153.2 ; 144.64,154.07 142.38,154.07 ; 144.64,154.07 144.89,154.32 v1(144.9,154.32) ; 142.38,154.07 140.26,154.07 138.86,152.68 137.9,152.68 ; 142.38,154.07 142.38,154.2 v1(142.3,154.28) ; v1(135.75,153.07) 135.75,154.26 135.97,154.49 139.3,154.49 140.18,155.38 145.69,155.38 146.58,154.49 149.38,154.49 149.43,154.44 151.62,154.44 152.42,155.24 152.42,157.12 152.05,157.49 v1(152.05,158.09) ; USBJ3.5 148.07,162.35 v1(148.35,162.62) 150.85,160.12 v1(151.32,160.12) ; v1(151.32,160.12) 152.35,160.12 ; v1(151.32,160.12) 151.03,159.82 151.03,157.12 151.55,156.6 151.55,155.5 151.29,155.24 150.7,155.24 150.51,155.43 146.77,155.43 146.02,156.18 139.85,156.18 138.97,155.29 133.09,155.29
  vias: v1(129.62,152.38) v1(131.22,167) v1(132.2,160.35) v1(134.03,149.88) v1(134.12,161.8) v1(135.43,151.82) v1(136.2,149.82) v1(136.68,160.9) v1(138.88,166.53) v1(140.9,149.78) v1(141.82,157.38) v1(143.88,148.38) v1(144,153.07) v1(144.65,157.32) v1(144.75,146.05) v1(145.18,149.85) v1(146.78,168.3) v1(148.32,152.25) v1(148.55,145.97) v1(149.72,163.7) v1(150.85,150.38) v1(153.7,161.12) v1(153.68,147.1) v1(154.53,156.57) v1(154.68,151.72)
